# KiCad board cda-pcb.kicad_pcb (continued)
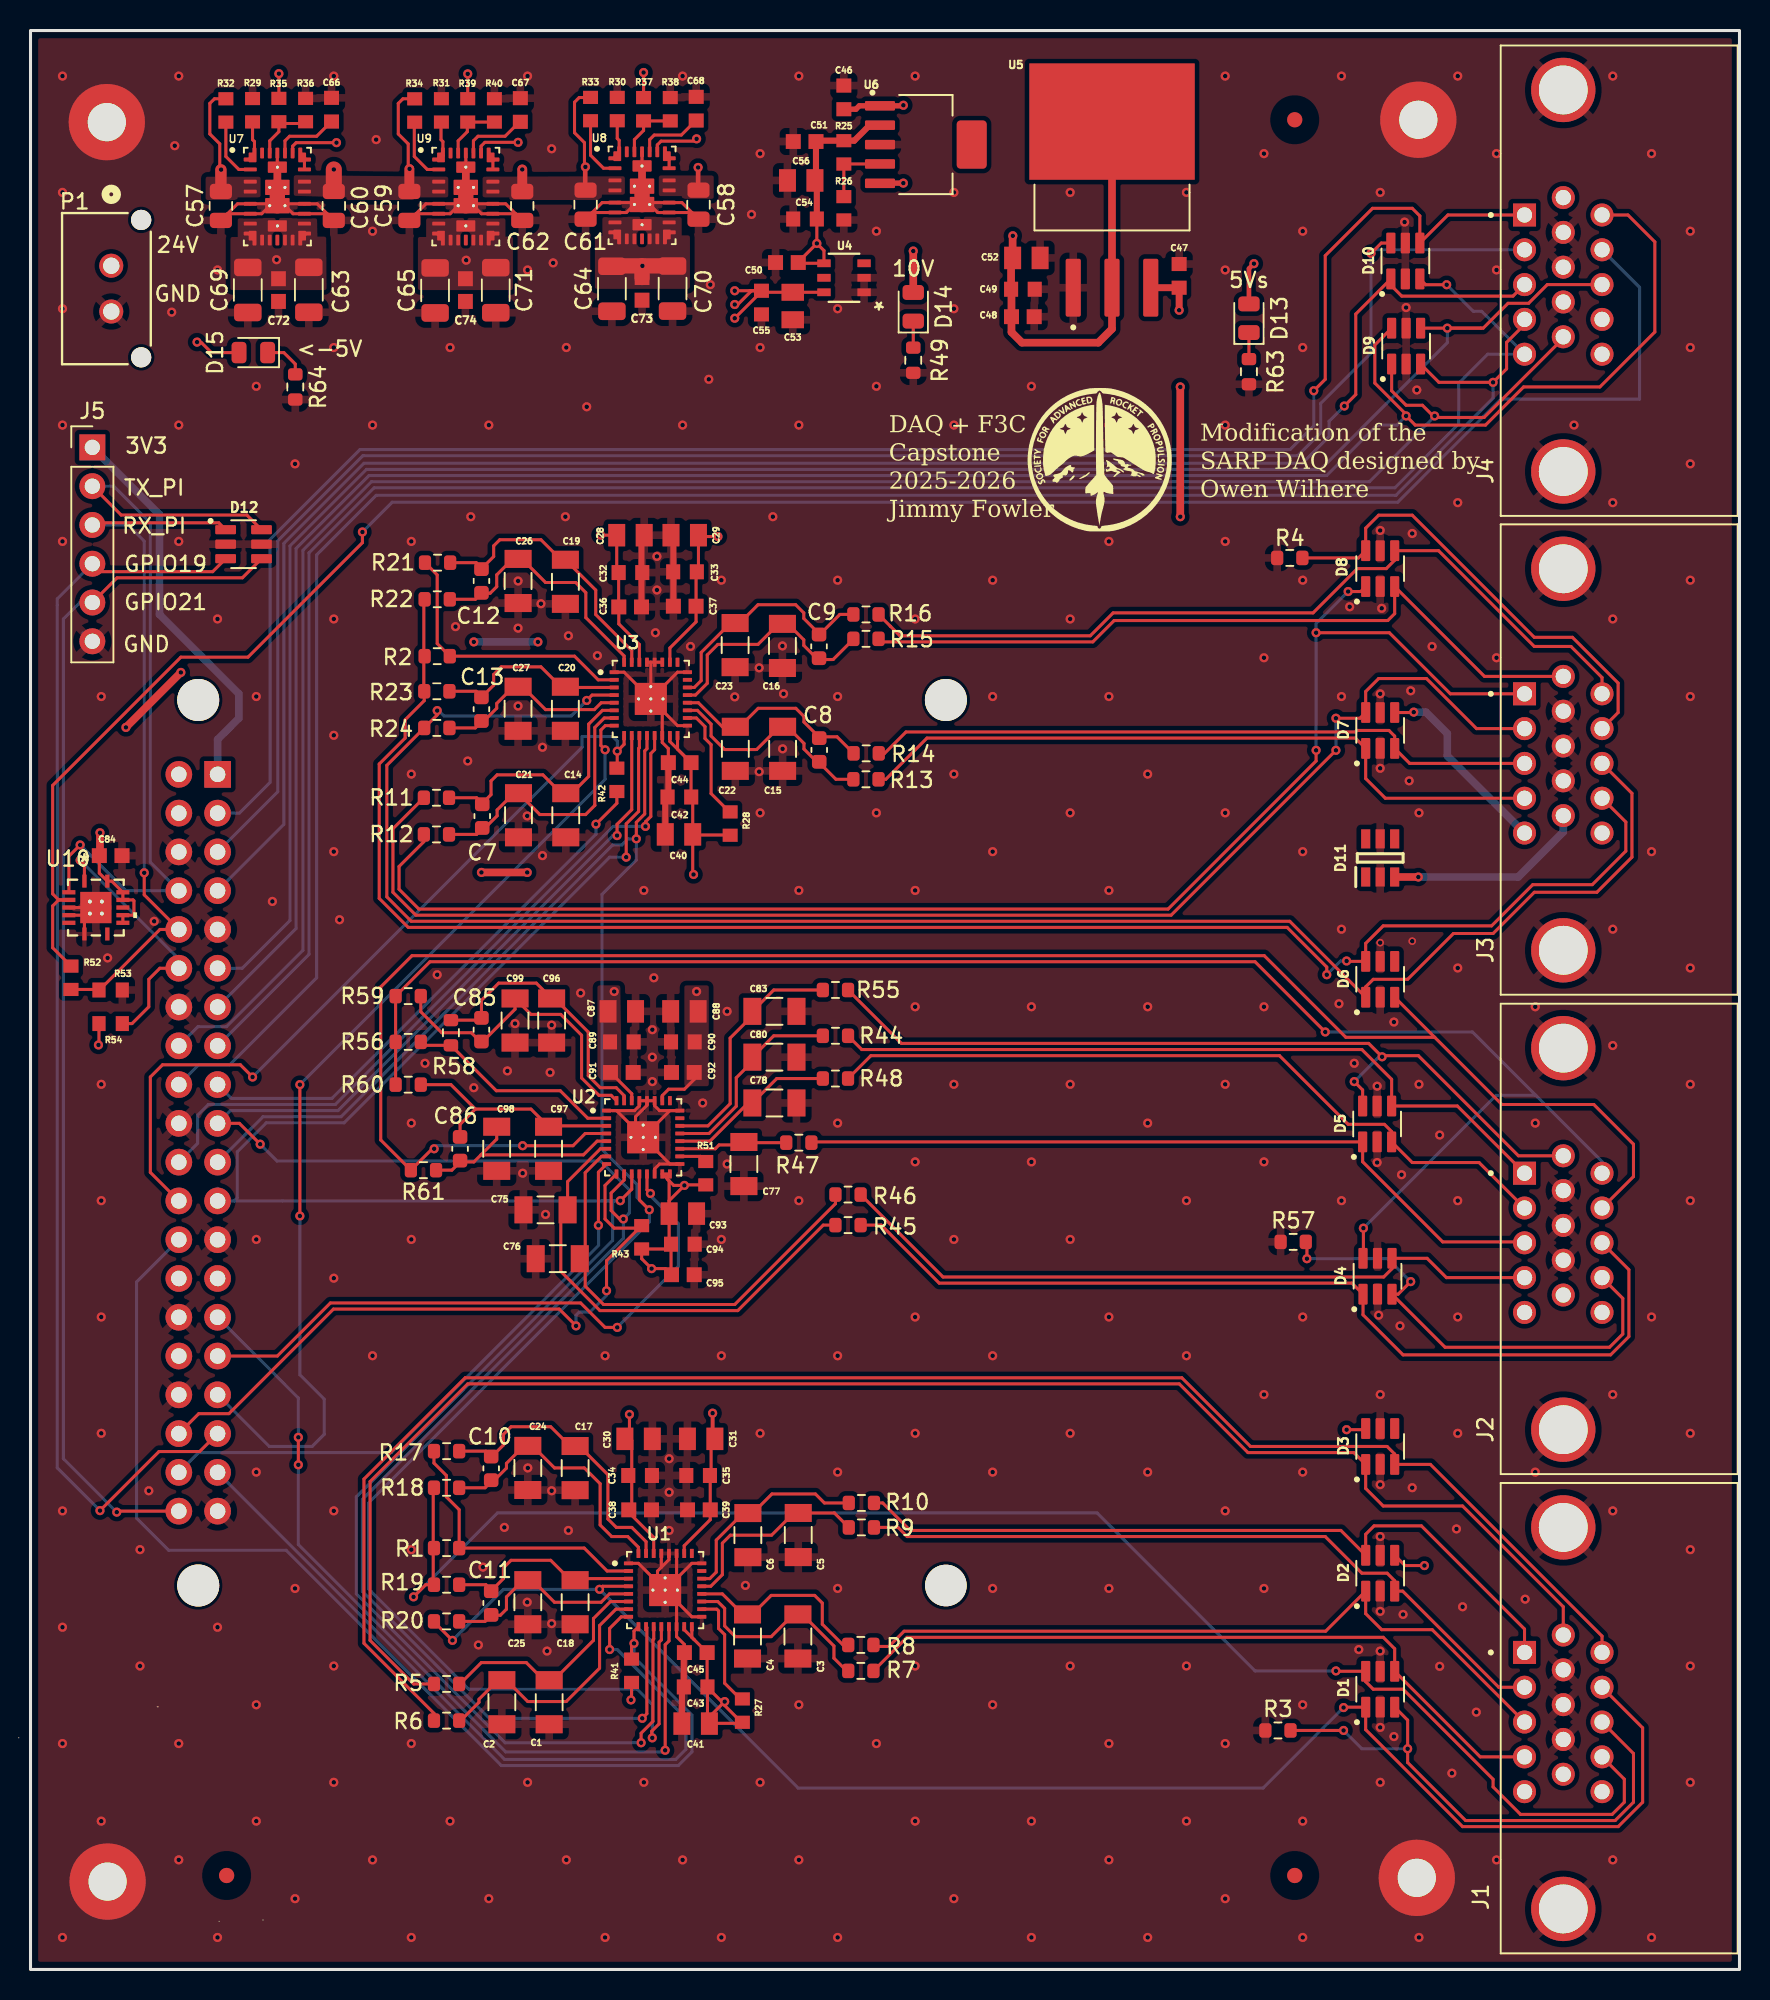
[diagram p0: board, top side]
## Footprints (pads in the part's own frame, mm; a bottom-side part is the same pattern mirrored in y, then rotated) (continued)
  rect 2.05x2.05 smd: 15(0,0)
SOT95P275X110-6N
  rect 1.25x0.6 smd: 1(-1.25,0.95) 2(-1.25,0) 3(-1.25,-0.95) 4(1.25,-0.95) 5(1.25,0) 6(1.25,0.95)
SOT95P280X145-6N
  rrect 1.36x0.6 smd: 1(-1.175,0.95) 2(-1.175,0) 3(-1.175,-0.95) 4(1.175,-0.95) 5(1.175,0) 6(1.175,0.95)
SOT127P706X180-6N
  rrect 1.97x0.62 smd: 1(-3.005,2.54) 2(-3.005,1.27) 3(-3.005,0) 4(-3.005,-1.27) 5(-3.005,-2.54)
  rrect 1.97x3.16 smd: 6(3.005,0)
TO254P1524X483-4N
  rrect 3.79x0.99 smd: 1(-6.4,2.54) 2(-6.4,0) 3(-6.4,-2.54)
  rect 7.62x10.84 smd: 4(4.48,0)
TSOT-23_S6_LIT
  rect 0.876x0.508 smd: 1(-1.314,0.95) 2(-1.314,0) 3(-1.314,-0.95) 4(1.314,-0.95) 5(1.314,0) 6(1.314,0.95)

## Nets
+3.3V: C40.1 C41.1 C42.1 C43.1 C44.1 C45.1 C93.1 C94.1 C95.1 J5.1 R27.2 R28.2 R41.2 R42.2 R43.2 R51.2 R54.2 RP1.1 RP1.17 U1.15 U1.16 U2.15 U2.16 U3.15 U3.16
+5V: C63.2 C69.2 C72.1 D15.2 R35.2 RP1.2 RP1.4 U7.7 U7.8 U7.9 U7.10 U7.12 U7.13 U7.14 U7.15 U7.22 U7.30
+5V REF: C28.2 C30.2 C32.2 C34.2 C36.2 C38.2 C53.1 C55.1 C87.2 C89.2 C91.2 U1.30 U2.30 U3.30 U4.6
+5Vs: C29.1 C31.1 C33.1 C35.1 C37.1 C39.1 C48.1 C49.1 C52.1 C84.1 C88.1 C90.1 C92.1 D2.4 D3.6 D7.4 D13.2 J1.5 J1.10 J1.15 J2.5 J2.10 J2.15 J3.5 J4.15 U1.26 U2.26 U3.26 U5.2 U5.4 U10.9 U10.10 U10.12 U10.13 U10.14
+6V: C47.1 C65.2 C71.2 C74.1 R39.2 U5.3 U9.7 U9.8 U9.9 U9.10 U9.12 U9.13 U9.14 U9.15 U9.22 U9.30
+10Vs: C50.1 C51.1 C54.1 C56.1 D11.3 D14.2 J3.10 J3.15 R25.2 U4.4 U6.2
+11V: C46.1 C64.2 C70.2 C73.1 R37.2 U6.1 U6.5 U8.7 U8.8 U8.9 U8.10 U8.12 U8.13 U8.14 U8.15 U8.22 U8.30
+24V: C57.2 C58.2 C59.2 C60.2 C61.2 C62.2 P1.1 R32.2 R33.2 R34.2 U7.3 U7.4 U7.18 U7.19 U8.3 U8.4 U8.18 U8.19 U9.3 U9.4 U9.18 U9.19
GND: C1.2 C2.2 C3.2 C4.2 C5.2 C6.2 C14.2 C15.2 C16.2 C17.2 C18.2 C19.2 C20.2 C21.2 C22.2 C23.2 C24.2 C25.2 C26.2 C27.2 C28.1 C29.2 C30.1 C31.2 C32.1 C33.2 C34.1 C35.2 C36.1 C37.2 C38.1 C39.2 C40.2 C41.2 C42.2 C43.2 C44.2 C45.2 C46.2 C47.2 C48.2 C49.2 C50.2 C51.2 C52.2 C53.2 C54.2 C55.2 C56.2 C57.1 C58.1 C59.1 C60.1 C61.1 C62.1 C63.1 C64.1 C65.1 C66.2 C67.2 C68.2 C69.1 C70.1 C71.1 C72.2 C73.2 C74.2 C75.2 C76.2 C77.2 C78.2 C80.2 C83.2 C84.2 C87.1 C88.2 C89.1 C90.2 C91.1 C92.2 C93.2 C94.2 C95.2 C96.2 C97.2 C98.2 C99.2 D1.2 D1.5 D2.2 D2.5 D3.2 D3.5 D4.2 D4.5 D5.2 D5.5 D6.2 D6.5 D7.2 D7.5 D8.2 D8.5 D9.2 D9.5 D10.2 D10.5 D11.2 D11.5 D12.2 D12.5 H1.1 H2.1 H3.1 H4.1 J1.7 J1.8 J1.9 J1.S1 J1.S2 J2.7 J2.8 J2.9 J2.S1 J2.S2 J3.7 J3.8 J3.9 J3.S1 J3.S2 J4.7 J4.8 J4.9 J4.S1 J4.S2 J5.6 P1.2 R3.2 R4.2 R26.1 R29.1 R30.1 R31.1 R36.1 R38.1 R40.1 R49.2 R53.2 R57.2 R63.2 R64.2 RP1.6 RP1.9 RP1.14 RP1.20 RP1.25 RP1.30 RP1.34 RP1.39 U1.1 U1.14 U1.17 U1.24 U1.27 U1.28 U1.29 U1.33 U2.1 U2.14 U2.17 U2.24 U2.27 U2.28 U2.29 U2.33 U3.1 U3.14 U3.17 U3.24 U3.27 U3.28 U3.29 U3.33 U4.1 U4.2 U5.1 U6.3 U7.5 U7.6 U7.16 U7.17 U7.24 U7.27 U7.28 U7.29 U8.5 U8.6 U8.16 U8.17 U8.24 U8.27 U8.28 U8.29 U9.5 U9.6 U9.16 U9.17 U9.24 U9.27 U9.28 U9.29 U10.4 U10.5 U10.7 U10.15
/CE1: R42.1 RP1.24 U3.9
/CE2: R41.1 RP1.26 U1.9
/CE3: R43.1 RP1.36 U2.9
/DATA_BUS: J4.12 R52.2 U10.3
/DRDY_N1: RP1.22 U3.13
/DRDY_N2: RP1.29 U1.13
/DRDY_N3: RP1.31 U2.13
/FB: R25.1 R26.2 U6.4
/FMV: D10.4 J4.1 RP1.3
/FTVV: D9.1 J4.10 RP1.16
/GPIO19: D12.3 J5.4 RP1.35
/GPIO21: D12.4 J5.5 RP1.40
/IDAC1_1: R2.1 R21.2 U3.2
/IDAC1_2: R1.1 R17.2 U1.2
/IDAC1_3: R56.1 R58.2 U2.2
/IDAC2_1: D6.1 J3.13 R24.2 U3.4
/IDAC2_2: D1.1 J1.12 R20.2 U1.4
/IDAC2_3: D6.3 J2.12 R61.2 U2.4
/LS1_SIG+: D7.6 J3.2 R11.1
/LS1_SIG-: D8.1 J3.1 R12.1
/LS2_SIG+: D7.1 J3.4 R13.1
/LS2_SIG-: D7.3 J3.3 R14.1
/LS3_SIG+: D8.3 J3.6 R15.1
/LS3_SIG-: D8.4 J3.11 R16.1
/MISO: RP1.21 U1.12 U2.12 U3.12
/MOSI: RP1.19 U1.10 U2.10 U3.10
/OFFV: D10.1 J4.3 RP1.7
/OIMV/FIMV/SPARK: D9.6 J4.11 RP1.13
/OMV: D10.6 J4.2 RP1.5
/OTVV: D9.4 J4.13 RP1.11
/PFFFV: D9.3 J4.4 RP1.18
/POFFV: D10.3 J4.5 RP1.15
/PT1_SIG: D3.1 J1.6 R5.1
/PT2_SIG: D3.3 J1.11 R6.1
/PT3_SIG: D1.4 J1.4 R7.1
/PT4_SIG: D2.1 J1.3 R8.1
/PT5_SIG: D2.3 J1.2 R9.1
/PT6_SIG: D2.6 J1.1 R10.1
/PT7_SIG: D4.1 J2.13 R45.1
/PT8_SIG: D4.4 J2.4 R46.1
/PT9_SIG: D5.1 J2.3 R47.1
/PT10_SIG: D5.3 J2.2 R48.1
/PT11_SIG: D5.4 J2.1 R44.1
/PT12_SIG: D5.6 J2.6 R55.1
/RTD1_L1: D6.6 J3.14 R2.2 R22.2 R23.2
/RTD1_L3: D8.6 J3.12 R4.1
/RTD2_L1: D1.6 J1.14 R1.2 R18.2 R19.2
/RTD2_L3: D1.3 J1.13 R3.1
/RTD3_L1: D4.6 J2.11 R56.2 R59.2 R60.2
/RTD3_L3: D4.3 J2.14 R57.1
/RX_PI: D12.1 J5.3 R52.1 R53.1 RP1.10
/SCLK: RP1.23 U1.11 U2.11 U3.11
/START_SYNC1: RP1.33 U3.8
/START_SYNC2: RP1.37 U1.8
/START_SYNC3: RP1.38 U2.8
/TX_ENABLE: R54.1 RP1.12 U10.1
/TX_PI: D12.6 J5.2 RP1.8 U10.2
Net-(D13-K): D13.1 R63.1
Net-(D14-K): D14.1 R49.1
Net-(D15-K): D15.1 R64.1
Net-(U1-AIN0): C2.1 R6.2 U1.7
Net-(U1-AIN1): C1.1 R5.2 U1.6
Net-(U1-AIN2): C11.2 C25.1 R20.1 U1.5
Net-(U1-AIN4): C11.1 C18.1 R19.1 U1.3
Net-(U1-GPIO0_AIN8): C6.1 R10.2 U1.22
Net-(U1-GPIO1_AIN9): C5.1 R9.2 U1.21
Net-(U1-GPIO2_AIN10): C4.1 R8.2 U1.20
Net-(U1-GPIO3_AIN11): C3.1 R7.2 U1.19
Net-(U1-REFN1_AIN7): C10.1 C17.1 R17.1 U1.31
Net-(U1-REFP1_AIN6): C10.2 C24.1 R18.1 U1.32
Net-(U1-RESET_N): R27.1 U1.18
Net-(U2-AIN0): C76.1 R46.2 U2.7
Net-(U2-AIN1): C75.1 R45.2 U2.6
Net-(U2-AIN2): C86.2 C98.1 R61.1 U2.5
Net-(U2-AIN4): C86.1 C97.1 R60.1 U2.3
Net-(U2-GPIO0_AIN8): C83.1 R55.2 U2.22
Net-(U2-GPIO1_AIN9): C80.1 R44.2 U2.21
Net-(U2-GPIO2_AIN10): C78.1 R48.2 U2.20
Net-(U2-GPIO3_AIN11): C77.1 R47.2 U2.19
Net-(U2-REFN1_AIN7): C85.1 C96.1 R58.1 U2.31
Net-(U2-REFP1_AIN6): C85.2 C99.1 R59.1 U2.32
Net-(U2-RESET_N): R51.1 U2.18
Net-(U3-AIN0): C7.2 C21.1 R12.2 U3.7
Net-(U3-AIN1): C7.1 C14.1 R11.2 U3.6
Net-(U3-AIN2): C13.2 C27.1 R24.1 U3.5
Net-(U3-AIN4): C13.1 C20.1 R23.1 U3.3
Net-(U3-GPIO0_AIN8): C9.2 C23.1 R16.2 U3.22
Net-(U3-GPIO1_AIN9): C9.1 C16.1 R15.2 U3.21
Net-(U3-GPIO2_AIN10): C8.2 C22.1 R14.2 U3.20
Net-(U3-GPIO3_AIN11): C8.1 C15.1 R13.2 U3.19
Net-(U3-REFN1_AIN7): C12.1 C19.1 R21.1 U3.31
Net-(U3-REFP1_AIN6): C12.2 C26.1 R22.1 U3.32
Net-(U3-RESET_N): R28.1 U3.18
Net-(U7-CBOOT): U7.20 U7.21
Net-(U7-EN/SYNC): R32.1 U7.2
Net-(U7-FB): R35.1 R36.2 U7.25
Net-(U7-RT): R29.2 U7.1
Net-(U7-VCC): C66.1 U7.23
Net-(U8-CBOOT): U8.20 U8.21
Net-(U8-EN/SYNC): R33.1 U8.2
Net-(U8-FB): R37.1 R38.2 U8.25
Net-(U8-RT): R30.2 U8.1
Net-(U8-VCC): C68.1 U8.23
Net-(U9-CBOOT): U9.20 U9.21
Net-(U9-EN/SYNC): R34.1 U9.2
Net-(U9-FB): R39.1 R40.2 U9.25
Net-(U9-RT): R31.2 U9.1
Net-(U9-VCC): C67.1 U9.23

Pads without a net: D3 4; D6 4; D11 1 4 6; J4 6 14; RP1 27 28 32; U1 23 25; U2 23 25; U3 23 25; U4 3 5; U6 6; U7 11 26; U8 11 26; U9 11 26; U10 6 8 11

## Via types
v1: diameter 0.6, hole 0.3, Top to Bottom, 443 vias
v2: diameter 0.5, hole 0.3, Top to Bottom, 2 vias

## Routing (per net, layer and track width the routed paths; a pad name or vN(x,y) marks a point on that pad's centre or on a via; arc(x,y) is an arc through that point)
+3.3V: length 243.5
  Top w0.2: C40.1 43.44,74.31 45.75,74.31 ; C40.1 43.4,71.77 v1(43.45,71.72) ; C40.1 43.4,76.6 43.3,76.7 C42.1 43.29,76.81 C44.1 ; C43.1 44.34,18.53 C45.1 43.49,21.6 ; C43.1 44.37,18.47 45.29,17.55 v1(45.49,17.55) ; C43.1 44.37,16.23 C41.1 ; R42.2 38.43,76.39 v1(37.06,75.02) ; v1(4.45,60.56) 4.49,60.59 R54.2 ; C44.1 41.9,80.43 U3.15 ; C44.1 42.4,79.93 U3.16 ; v1(42.85,51.36) 42.15,51.36 41.85,51.66 ; v1(42.85,51.36) 42.89,51.39 R51.2 ; v1(42.85,51.36) 41.85,50.36 C93.1 ; 41.85,51.66 U2.15 U2.16 41.75,51.96 41.75,51.76 41.85,51.66 ; 41.85,51.66 C93.1 ; C94.1 41.66,47.19 R43.2 40.05,46.56 v1(40.7,45.91) 41.61,45.91 C95.1 41.98,45.54 C94.1 ; C94.1 41.85,47.63 C93.1 ; 46.59,16.12 44.51,16.12 C41.1 ; 43.49,21.6 42.84,22.25 U1.15 ; 43.49,21.6 43.34,21.75 U1.16 ; C41.1 44.49,16.54 v1(45.49,17.55) ; v1(39.35,17.66) 39.39,17.69 R41.2 ; v1(45.49,17.55) 45.49,17.29 46.59,16.19 R27.2
  Top w0.5: v1(29.55,71.86) v1(32.55,71.86)
  In2.Cu w0.2: RP1.17 10.97,59.26 5.75,59.26 v1(4.45,60.56) ; v1(37.06,75.02) 37.05,75.01 37.05,73.16 38.35,71.86 43.32,71.86 v1(43.45,71.72) 42.85,71.12 v1(42.85,51.36) 42.85,48.06 v1(40.7,45.91) 40.7,38.41 45.49,33.61 v1(45.49,17.55) 39.46,17.55 v1(39.35,17.66)
  In2.Cu w0.5: RP1.1 14.75,75.79 14.75,60.45 ; v1(29.55,71.86) 26.16,71.86 14.75,60.45 ; 14.75,60.45 RP1.17 ; v1(32.55,71.86) 33.9,71.86 v1(37.06,75.02)
  Bottom w0.2: v1(37.06,75.02) 37.06,74.36 19.75,57.06 13.17,57.06 RP1.17
  Bottom w0.5: RP1.1 12.26,80.56 13.65,81.96 13.65,83.56 8.45,88.76 8.45,95.3 J5.1
+5V: length 68.4
  Top w0.2: v1(20.05,119.66) 17.41,119.66 17.18,119.43 U7.22 ; R35.2 v1(16.28,124.18) ; 10.85,106.6 10.91,106.54 11.22,106.54 11.85,105.91 D15.2
  In2.Cu w1: RP1.4 RP1.2
  In2.Cu w1.05: 20.38,119.36 21.18,118.56 21.18,116.86 16.31,111.99 v1(16.13,111.99) ; 20.38,119.36 16.28,123.46 v1(16.28,124.18) ; 20.38,119.36 20.08,119.66 v1(20.05,119.66) ; v1(16.13,111.99) 16.13,111.81 v1(10.91,106.59) 10.02,105.69 9.98,105.69 7.69,103.41 7.69,80.31 RP1.2 ; v1(16.13,111.99) 16.13,114.2 ; v1(16.13,111.99) 16.13,112.59
+5V REF: length 189
  Top w0.2: v1(46.15,108.16) 47.9,109.91 C55.1 ; C55.1 47.15,109.96 ; C55.1 47.15,109.96 ; v1(37.35,93.96) 37.36,93.95 C28.2 38.42,91.62 C32.2 38.54,89.26 C36.2 38.55,88.13 39.9,86.79 U3.30 ; v1(46.15,109.06) 46.35,109.06 47.25,109.96 47.15,109.96 ; U2.30 39.4,57.36 C91.2 38.01,59.11 37.98,59.14 ; 47.15,109.96 v1(46.15,109.96) ; v1(39.25,36.36) 39.25,36.36 39.25,34.8 39.4,34.65 39.4,29.74 40.84,28.3 U1.30 ; U4.6 48,109.86
  In2.Cu w0.2: v1(46.15,109.96) 30.45,94.26 30.45,45.16 v1(39.25,36.36) ; v1(46.15,109.06) 31.05,93.96 31.05,71.26 v1(38.25,64.06) ; v1(46.15,108.16) 37.35,99.36 v1(37.35,93.96)
+5Vs: length 510.6
  Top w0.2: 64.29,110.03 C49.1 ; 64.26,112.01 C52.1 ; U3.26 41.9,86.56 43.62,88.27 C37.1 43.62,91.5 C33.1 43.77,91.65 C29.1 43.86,93.86 v1(45.05,93.86) ; 4.51,74.41 v1(4.55,74.46) ; D2.4 90.08,26.46 v1(91.35,26.46) ; 44.7,34.8 44.6,34.7 44.6,32.35 44.55,32.3 C39.1 44.55,29.46 42.84,27.75 U1.26 ; 4.55,73 C84.1 4.51,71.81 U10.14 5.32,71.29 U10.13 U10.12 6.72,70.06 6.78,70 6.78,69.11 6.72,69.06 U10.10 U10.9 ; D7.4 90.63,82.33 v1(90.65,82.36) ; 64.36,113.54 v1(64.38,113.56) ; U2.26 41.4,57.24 41.82,57.66 42.85,57.66 43.5,58.3 C92.1 ; D3.6 87.43,35.36 v1(86.25,35.36)
  Top w0.25: 44.7,34.8 v1(44.7,36.44)
  Top w0.3: D13.2 79.85,111.41 v1(80.18,111.73)
  Top w0.5: v1(6.25,81.36) v1(9.85,84.96) ; 43.53,58.79 C92.1 ; C52.1 64.36,113.54 ; v1(4.55,74.46) 4.55,73 ; U5.4 U5.2 70.88,107.46 69.98,106.56 64.98,106.56 64.29,107.24 C48.1 64.29,110.03 ; 43.65,60.88 C90.1 ; C49.1 64.26,112.01
  In2.Cu w0.3: v1(64.38,113.56) 78.35,113.56 v1(80.18,111.73)
  In2.Cu w0.5: 66.65,81.96 66.65,93.86 ; 66.65,81.96 66.65,58.56 ; 66.65,81.96 66.53,81.83 ; 66.65,93.86 82.35,109.56 ; 66.65,93.86 v1(45.05,93.86) 40.15,93.86 v1(33.25,86.96) ; J2.15 101.59,43.04 J2.10 99.31,43.04 J2.5 90.23,35.36 v1(86.25,35.36) ; J2.15 105.35,45.4 105.35,68.66 102.45,71.56 100.79,71.56 J3.5 93.36,69.88 78.48,69.88 66.53,81.83 ; J2.15 105.35,40.68 105.35,14.01 J1.15 101.59,11.65 J1.10 99.31,11.65 J1.5 91.35,18.21 91.35,26.86 86.25,31.96 v1(86.25,35.36) ; 82.35,109.56 87.35,104.56 92.35,104.56 94.85,102.06 97.95,102.06 101.7,105.8 J4.15 ; 82.35,109.56 v1(80.18,111.73) ; 66.53,81.83 48.75,64.06 v1(43.65,64.06) ; v1(29.05,86.96) 11.25,86.96 9.85,85.56 v1(9.85,84.96) ; 66.65,58.56 66.65,58.39 v1(44.7,36.44) ; 66.65,58.56 66.65,54.96 v1(86.25,35.36) ; v1(4.55,74.46) 6.25,76.16 v1(6.25,81.36)
  Bottom w0.5: J3.5 92.85,79.5 92.85,80.96 91.45,82.36 v1(90.65,82.36) ; v1(33.25,86.96) v1(29.05,86.96)
+6V: length 77.3
  Top w0.2: v1(31.95,119.68) 29.78,119.68 29.53,119.43 U9.22 ; 28.65,122.54 v1(28.65,124.16)
  Top w0.45: v1(75.28,108.68) C47.1 U5.3
  In2.Cu w0.2: v1(31.95,119.68) 31.95,120.86 v1(28.65,124.16)
  In2.Cu w0.45: 34.15,113.16 34.15,117.48 v1(31.95,119.68) ; 34.15,113.16 36.1,113.16 39.1,110.16 40.85,110.16 42.55,111.86 55.25,111.86 61.85,105.26 72.73,105.26 75.28,107.81 v1(75.28,108.68) ; 34.15,113.16 29.57,113.16 U9.30
  In2.Cu w0.5: v1(28.55,111.96) 28.55,114.18 U9.30
+10Vs: length 152.7
  Top w0.2: v1(51.53,113.06) 50.31,111.84 C50.1 ; v1(51.53,113.06) 52,112.59 U4.4 50.65,111.76 ; v1(51.53,113.06) C54.1 ; 51.48,117.25 C56.1 ; 51.53,119.79 C51.1
  Top w0.4: C51.1 51.48,117.25 ; C54.1 51.53,117.06 C56.1 ; U6.2 55,120.8 53.98,119.79 R25.2 51.53,119.79
  Top w0.5: v1(90.95,71.56) D11.3 ; v1(75.35,103.66) v1(75.35,95.16) ; D14.2 v1(57.85,112.56)
  In2.Cu w0.5: v1(51.53,113.06) 52.03,112.56 74.45,112.56 76.95,110.06 76.95,105.26 v1(75.35,103.66) ; J3.10 101.59,74.44 J3.15 105.45,76.9 105.45,84.16 101.85,87.76 92.65,87.76 85.25,95.16 v1(75.35,95.16) 75.35,87.16 v1(90.95,71.56)
  Bottom w0.5: J3.10 100.45,74.51 97.5,71.56 v1(90.95,71.56)
+11V: length 52.6
  Top w0.2: 40.18,122.63 v1(40.18,124.25) ; 43.5,119.76 41.33,119.76 41.08,119.51 U8.22
  Top w0.35: v1(57.2,117.01) 55.69,117.01 U6.5 ; C46.1 54.09,121.85 54.32,122.07 U6.1 57.17,122.07 v1(57.2,122.11)
  Top w1: v1(40.1,111.59) 40.08,111.56 C73.1 ; C64.2 38.13,111.59 42.08,111.59
  In2.Cu w0.35: v1(57.2,122.11) v1(57.2,117.01)
  In2.Cu w0.5: v1(43.65,119.91) 45.85,122.11 v1(57.2,122.11) ; v1(43.65,119.91) 43.65,119.96 40.18,123.43 v1(40.18,124.25) ; v1(43.65,119.91) 45.35,118.21 45.35,117.66 41.98,114.28 U8.30
  In2.Cu w1: v1(40.1,111.59) 40.1,114.26 U8.30
+24V: length 61.7
  Top w0.2: v1(12.49,117.89) 12.48,117.88 12.4,117.95 12.4,119.58 11.75,120.23 11.75,122.23 12.06,122.53 R32.2 ; 24.75,117.95 24.75,119.58 24.1,120.23 24.1,122.23 24.41,122.53 25.15,122.53 ; 36.7,122.61 35.96,122.61 35.65,122.31 35.65,120.31 36.3,119.66 36.3,118.03
  Top w0.3: v1(43.75,118.03) 43.75,116.68 ; 32.29,117.96 v1(32.23,117.9) ; 36.35,118.06 36.35,116.73
  Top w0.65: v1(32.23,117.9) 32.23,116.55 ; 24.83,117.93 24.83,116.6
  Top w0.75: 12.48,117.88 12.48,116.55
  Top w1.05: v1(19.88,117.9) 19.88,116.55
  In2.Cu w1: v1(36.37,118.07) 37.65,119.36 42.43,119.36 v1(43.75,118.03) ; v1(24.84,117.94) 24.84,118.04 25.85,119.06 31.07,119.06 v1(32.23,117.9)
  In2.Cu w1.05: P1.1 5.33,111.56 7.65,111.56 10.6,114.51 10.6,116 13.68,119.08 18.7,119.08 v1(19.88,117.9)
  Bottom w0.2: 12.48,118.1 12.48,117.88 v1(12.49,117.89)
  Bottom w0.3: 36.53,118.12 36.46,118.06
GND: length 137.1
  Top w0.2: 40.51,54.86 41.9,56.26 U2.24 41.22,56.26 40.9,56.57 U2.27 U2.28 ; 39.4,58.66 C91.1 39.5,59 39.53,59.03 ; U10.15 3.53,68.81 U10.7 ; U10.15 U10.4 ; U10.15 3.78,69.06 U10.5 ; U3.24 42.4,84.97 U3.33 ; 41.24,25.2 41.09,25.35 41.09,26.09 41.34,26.34 ; 41.98,24.46 43.34,23.1 U1.17 ; 40.04,93.77 C28.1 ; U1.33 42.34,24.1 U1.14 42.34,21.8 42.85,21.29 C45.2 42.82,20.72 ; 42.69,18.38 C43.2 ; 40.65,85.62 U3.29 ; 40.65,85.62 U3.33 ; 40.65,85.62 U3.27 ; 38.15,56.26 38.4,56.26 39.8,54.86 39.65,55.01 39.65,55.85 40.4,56.61 U2.28 ; 38.15,56.26 39.59,56.26 39.9,56.57 U2.29 U2.28 ; 38.15,56.26 U2.1 ; U9.24 U9.27 ; U1.24 43.34,26.6 41.98,25.24 ; 42.13,93.79 C29.2 ; 41.05,30.27 40.89,30.1 ; U3.33 41.4,82.47 U3.14 41.4,80.37 41.8,79.97 C44.2 ; U3.33 38.9,84.97 U3.1 ; U3.33 42.4,81.47 U3.17 ; 41.34,26.34 U1.29 ; 41.34,26.34 41.84,26.84 U1.28 ; U7.24 U7.27 ; U9.29 27.9,115.66 26.76,115.66 U9.5 25.91,115.65 C59.1 25.26,115 U9.6 27.5,115 U9.29 ; U9.29 U9.29 ; U2.14 40.9,52.44 41.22,52.76 U2.17 41.9,52.76 40.51,54.15 ; 39.53,62.63 C87.1 ; U9.29 29.55,115 U9.16 31.79,115 C62.1 31.14,115.65 U9.17 29.15,115.65 U9.29 ; U9.29 U9.29 ; 41.98,62.63 41.85,62.76 ; 41.2,25.24 39.84,26.6 U1.1 ; U8.24 U8.27 ; U9.29 28.53,115.32 ; U1.27 42.34,25.6 41.94,25.2 ; 41.6,76.65 C42.2 41.75,77.02 41.8,77.07 ; C92.2 42.01,59.01 41.98,59.04 ; 42.9,30.26 C39.2 ; U7.5 13.56,115.65 C57.1 12.91,115 U7.6 15.15,115 U7.29 15.55,115.65 U7.5 ; 40.7,115.73 U8.29 41.1,115.08 U8.16 43.34,115.08 C58.1 42.69,115.73 U8.17 40.7,115.73 ; 36.81,115.08 C61.1 37.46,115.73 U8.5 39.45,115.73 U8.29 39.05,115.08 U8.6 36.81,115.08 ; 19.44,115 C60.1 18.79,115.65 U7.17 16.8,115.65 U7.29 17.2,115 U7.16 19.44,115
  Top w0.4: C40.2 41.6,76.65 ; C43.2 42.82,20.72 ; C41.2 42.69,18.38 ; C36.1 40.04,93.77 ; 41.8,77.07 C44.2 ; C37.2 42.13,93.79
  Top w0.5: U7.27 U7.28 ; U9.27 U9.28 ; U8.27 U8.28
  Top w1: U9.28 U9.29 ; U8.29 U8.28 ; U7.29 U7.28
  Bottom w0.2: 3.43,87.54 4.05,87.54 ; 5.22,121.64 5.58,121.28 6.77,121.28
  Bottom w1.05: 5.22,121.57 5.22,121.64
  vias: v1(2.1,124.02) v1(2.1,116.4) v1(2.1,108.78) v1(2.1,101.16) v1(2.1,93.54) v1(2.1,30.04) v1(2.1,22.42) v1(2.1,14.8) v1(2.1,2.1) v1(4.64,83.38) v1(4.64,57.98) v1(4.64,50.36) v1(4.64,42.74) v1(4.64,35.12) v1(4.64,9.72) v1(5.05,66.26) v1(7.18,27.5) v1(7.18,19.88) v1(7.75,31.36) v1(8.1,68.66) v1(9.25,108.56) v1(9.45,119.46) v1(9.72,124.02) v1(9.72,101.16) v1(9.72,93.54) v1(9.72,14.8) v1(9.72,7.18) v1(12.26,111.32) v1(12.26,88.46) v1(12.26,22.42) v1(12.26,2.1) v1(14.8,103.7) v1(14.8,83.38) v1(14.8,47.82) v1(14.8,32.58) v1(14.8,17.34) v1(14.8,9.72) v1(15.85,69.96) v1(17.34,98.62) v1(17.34,24.96) v1(17.34,4.64) v1(19.88,124.02) v1(19.88,106.24) v1(19.88,88.46) v1(19.88,80.84) v1(19.88,73.22) v1(19.88,45.28) v1(19.88,30.04) v1(19.88,19.88) v1(19.88,12.26) v1(20.25,68.76) v1(22.42,113.86) v1(22.42,101.16) v1(22.42,40.2) v1(22.42,7.18) v1(22.65,119.86) v1(24.96,93.54) v1(24.96,78.3) v1(24.96,55.44) v1(24.96,47.82) v1(24.96,27.5) v1(24.96,14.8) v1(24.96,2.1) v1(25.85,59.36) v1(26.65,65.16) v1(27.5,106.24) v1(27.5,9.72) v1(27.85,87.96) v1(28.65,79.16) v1(28.85,95.16) v1(29.05,57.76) v1(29.35,21.26) v1(29.65,26.36) v1(30.04,101.16) v1(30.04,4.64) v1(31.05,28.96) v1(31.25,58.86) v1(31.75,61.96) v1(31.95,90.95) v1(31.95,87.86) v1(31.95,82.76) v1(32.25,52.16) v1(32.58,124.02) v1(32.58,111.32) v1(32.55,75.56) v1(32.59,32.85) v1(32.55,24.06) v1(32.58,12.26) v1(33.45,89.46) v1(33.55,80.06) v1(33.55,72.96) v1(33.75,49.46) v1(33.85,20.86) v1(34.05,58.76) v1(34.15,119.26) v1(34.15,61.86) v1(34.15,31.36) v1(34.15,22.66) v1(34.25,111.78) v1(35.12,106.24) v1(35.05,95.16) v1(35.12,7.18) v1(35.25,87.36) v1(35.25,28.76) v1(36.05,63.96) v1(36.45,102.36) v1(37.15,86.06) v1(37.66,40.2) v1(37.66,2.1) v1(40.2,70.68) v1(40.2,12.26) v1(40.75,61.56) v1(40.75,59.76) v1(40.75,58.16) v1(40.85,64.96) v1(40.95,87.56) v1(41.05,92.56) v1(41.05,90.36) v1(41.85,33.46) v1(41.85,31.26) v1(41.85,28.76) v1(42.74,124.02) v1(42.74,101.16) v1(42.74,7.18) v1(43.25,86.66) v1(44.05,56.76) v1(44.45,104.16) v1(44.55,110.36) v1(45.28,91) v1(45.28,47.82) v1(45.28,40.2) v1(45.28,2.1) v1(45.65,62.76) v1(45.65,52.76) v1(46.15,83.36) v1(46.85,25.16) v1(47.25,114.96) v1(47.82,118.94) v1(47.82,106.24) v1(47.75,85.26) v1(47.75,78.46) v1(47.82,75.76) v1(47.82,35.12) v1(47.82,12.26) v1(48.65,95.16) v1(49.28,86.69) v1(49.29,79.95) v1(49.35,83.56) v1(50.36,124.02) v1(50.36,101.16) v1(50.36,70.68) v1(50.36,50.36) v1(50.36,17.34) v1(50.36,7.18) v1(52.9,108.78) v1(52.9,91) v1(52.9,83.38) v1(52.9,55.44) v1(52.9,40.2) v1(52.9,32.58) v1(52.9,24.96) v1(52.9,2.1) v1(55.44,113.86) v1(55.44,103.7) v1(55.44,75.76) v1(55.44,14.8) v1(57.98,124.02) v1(57.98,88.46) v1(57.98,70.68) v1(57.98,63.06) v1(57.98,52.9) v1(57.98,42.74) v1(57.98,35.12) v1(57.98,19.88) v1(57.98,9.72) v1(60.52,116.4) v1(60.52,108.78) v1(60.52,101.16) v1(60.52,78.3) v1(60.52,57.98) v1(60.52,47.82) v1(60.52,4.64) v1(63.06,91) v1(63.06,83.38) v1(63.06,73.22) v1(63.06,40.2) v1(63.06,32.58) v1(63.06,24.96) v1(63.06,17.34) v1(65.6,103.7) v1(65.6,63.06) v1(65.6,52.9) v1(65.6,9.72) v1(65.6,2.1) v1(68.14,116.4) v1(68.14,88.46) v1(68.14,75.76) v1(68.14,57.98) v1(68.14,47.82) v1(68.14,35.12) v1(68.14,19.88) v1(70.68,101.16) v1(70.68,93.54) v1(70.68,83.38) v1(70.68,70.68) v1(70.68,42.74) v1(70.68,24.96) v1(70.68,14.8) v1(70.68,7.18) v1(73.22,78.3) v1(73.22,63.06) v1(73.22,55.44) v1(73.22,32.58) v1(73.22,2.1) v1(75.76,116.4) v1(75.76,50.36) v1(75.76,40.2) v1(75.76,19.88) v1(75.76,9.72) v1(78.3,124.02) v1(78.3,111.32) v1(78.3,101.16) v1(78.3,93.54) v1(78.3,75.76) v1(78.3,57.98) v1(78.3,30.04) v1(78.3,14.8) v1(78.3,4.64) v1(80.84,118.94) v1(80.84,85.92) v1(80.84,63.06) v1(80.84,52.9) v1(80.84,37.66) v1(80.84,24.96) v1(83.38,113.86) v1(83.38,106.24) v1(83.38,91) v1(83.38,73.22) v1(83.38,42.74) v1(83.38,32.58) v1(83.38,17.34) v1(83.38,9.72) v1(83.38,2.1) v1(85.75,63.26) v1(85.92,124.02) v1(85.92,83.38) v1(85.92,68.14) v1(85.92,50.36) v1(86.45,89.26) v1(86.75,59.36) v1(87.05,20.96) v1(88.25,57.86) v1(88.25,52.86) v1(88.35,42.86) v1(88.46,116.4) v1(88.45,94.26) v1(88.45,83.56) v1(88.45,78.68) v1(88.46,37.66) v1(88.45,31.76) v1(88.45,28.36) v1(88.45,23.46) v1(88.45,20.86) v1(88.45,15.86) v1(88.46,12.26) v1(88.55,89.16) v1(89.35,62.06) v1(89.35,15.26) v1(89.75,42.16) v1(89.85,52.06) v1(89.95,23.26) v1(90.05,114.46) v1(90.15,108.86) v1(90.35,77.86) v1(90.45,83.76) v1(90.55,94.06) v1(90.55,31.56) v1(90.85,103.46) v1(91,75.76) v1(91,57.98) v1(91,2.1) v1(91.85,86.66) v1(92.35,54.66) v1(92.35,19.86) v1(93.15,12.86) v1(93.45,28.86) v1(93.54,124.02) v1(93.54,96.08) v1(93.54,65.6) v1(93.54,50.36) v1(93.54,42.74) v1(93.54,35.12) v1(93.85,23.76) v1(94.75,16.86) v1(96.08,118.94) v1(96.08,111.32) v1(96.08,85.92) v1(96.08,7.18) v1(97.95,24.26) v1(98.62,63.06) v1(98.62,55.44) v1(98.62,32.58) v1(101.16,101.16) v1(103.7,124.02) v1(103.7,96.08) v1(103.7,88.46) v1(103.7,68.14) v1(103.7,60.52) v1(103.7,37.66) v1(103.7,30.04) v1(103.7,7.18) v1(106.24,118.94) v1(106.24,73.22) v1(106.24,42.74) v1(106.24,2.1) v1(108.78,113.86) v1(108.78,106.24) v1(108.78,98.62) v1(108.78,91) v1(108.78,83.38) v1(108.78,65.6) v1(108.78,57.98) v1(108.78,50.36) v1(108.78,35.12) v1(108.78,27.5) v1(108.78,19.88) v1(108.78,12.26) v2(88.45,67.26) v2(90.55,67.36)
/CE1: length 53
  Top w0.2: v1(14.55,58.46) 13.75,59.26 8.65,59.26 7.85,58.46 7.85,52.21 RP1.24 ; U3.9 38.9,80.25 v1(38.45,79.8) 38.45,78.57
  Bottom w0.2: v1(14.55,58.46) 36.15,80.06 36.15,80.76 38.15,80.76 38.45,80.46 v1(38.45,79.8)
/CE2: length 73.9
  Top w0.2: U1.9 39.55,22.16 v1(39.55,21.36) 39.39,21.2 R41.1
  Bottom w0.2: v1(39.55,21.36) 39.55,20.46 43.35,16.66 43.35,14.26 42.45,13.36 30.85,13.36 16.75,27.46 9.05,27.46 6.95,29.56 6.95,45.03 RP1.26
/CE3: length 44.6
  Top w0.2: v1(37.75,44.46) 37.75,46.42 R43.1 39.89,48.56 38.25,48.56 37.65,49.16 37.65,51.36 U2.9 ; RP1.36 11.03,36.41 13,36.41 19.85,43.26 34.65,43.26 v1(35.75,42.16)
  Bottom w0.2: v1(37.75,44.46) 37.75,44.16 36.65,43.06 35.95,43.06 35.75,42.86 v1(35.75,42.16)
/DATA_BUS: length 139.7
  Top w0.2: v1(21.75,94.16) 21.75,93.46 14.25,85.96 9.85,85.96 1.45,77.55 1.45,70.45 1.85,70.06 ; 1.85,70.06 U10.3 1.85,70.06 ; 1.85,70.06 1.45,69.66 1.45,66.92 R52.2
  Bottom w0.2: v1(21.75,94.16) 23.7,96.11 89.6,96.11 96.35,102.86 105.45,102.86 105.45,110.18 J4.12
/DRDY_N1: length 47
  Top w0.2: U3.13 40.9,79.9 40.65,79.65 40.65,75.52 40.3,75.17 v1(40.3,74.87)
  Bottom w0.2: RP1.22 10.95,54.11 10.95,55.96 11.65,56.66 19.97,56.66 38.19,74.87 v1(40.3,74.87)
/DRDY_N2: length 55
  Top w0.2: 41.84,22.44 41.84,21.52 41.59,21.27 41.59,14.36 v1(41.59,14.36) ; v1(17.55,33.06) v1(17.55,34.86)
  Bottom w0.2: v1(17.55,33.06) 17.55,27.83 31.14,14.25 41.49,14.25 v1(41.59,14.36) ; RP1.29 17.55,37.43 v1(17.55,34.86)
/DRDY_N3: length 40.8
  Top w0.2: v1(38.45,42.06) 37.65,42.06 36.05,43.66 19.65,43.66 16.18,40.18 RP1.31 ; v1(40.63,50.83) 40.4,51.05 U2.13
  Bottom w0.2: v1(38.45,42.06) 42.45,46.06 42.45,48.86 40.63,50.68 v1(40.63,50.83)
/FB: length 4.5
  Top w0.2: U6.4 53.31,118.26 R25.1 R26.2
/FMV: length 120.3
  Top w0.2: v1(84.1,103.41) 84.85,104.16 84.85,112.26 87.95,115.36 90.55,115.36 91.05,114.86 D10.4 92.89,114.92 J4.1
  Bottom w0.2: 12.26,75.81 RP1.3 13.69,75.74 15.7,77.75 15.7,93.66 21.59,99.56 82.55,99.56 84.1,101.11 v1(84.1,103.41)
/FTVV: length 130.8
  Top w0.2: D9.1 89.2,103.41 90.15,102.46 91.22,102.46 92.02,101.66 ; 92.02,101.66 95.26,101.66 100.45,106.85 J4.10 ; 92.02,101.66 v1(92.02,101.76)
  Bottom w0.2: RP1.16 10.98,61.76 12.85,61.76 17.85,66.76 17.85,92.96 22.35,97.45 87.75,97.45 92.02,101.73 v1(92.02,101.76)
/GPIO19: length 83.2
  Top w0.2: v1(4.55,30.06) 8.42,33.92 11.08,33.92 RP1.35 ; J5.4 4.57,91.56 11.94,91.56 D12.3
  Bottom w0.2: J5.4 1.75,89.78 1.75,32.86 v1(4.55,30.06)
/GPIO21: length 78.7
  Top w0.2: v1(5.65,29.96) 5.72,30.02 RP1.40 ; D12.4 13.89,91.16 5.67,91.16 J5.5
  Bottom w0.2: v1(5.65,29.96) 2.15,33.46 2.15,88.46 3.23,89.54 J5.5
/IDAC1_1: length 18.2
  Top w0.2: R21.2 26.65,91.35 26.65,86.85 R2.1 ; 27.53,86.02 35.65,86.02 37.2,84.47 U3.2
/IDAC1_2: length 18.7
  Top w0.2: R17.2 26.44,33.17 27.25,32.36 27.25,30.96 28.09,30.12 R1.1 ; U1.2 37.79,26.1 36.29,27.6 28.14,27.6
/IDAC1_3: length 14.2
  Top w0.2: R56.1 25.8,60.53 R58.2 30.53,57.56 34.72,57.56 36.52,55.76 U2.2
/IDAC2_1: length 121.4
  Top w0.2: J3.13 104.95,77.04 104.95,72.86 102.65,70.56 98.55,70.56 95.85,67.86 93.25,67.86 90.25,64.86 88,64.86 87.5,64.36 D6.1 82.53,68.66 24.95,68.66 23.35,70.26 23.35,78.87 R24.2 26.65,82.17 v1(26.65,82.46) ; U3.4 36.8,83.47 v1(36.45,83.12)
  Bottom w0.2: v1(36.45,83.12) 35.44,82.11 27.1,82.11 26.75,82.46 v1(26.65,82.46)
/IDAC2_2: length 104.1
  Top w0.2: R20.2 26.44,22.77 v1(27.65,21.56) ; U1.4 37.49,25.1 v1(37.29,24.9) ; J1.12 105.65,15.83 105.65,10.96 104.05,9.36 93.85,9.36 87.5,15.71 D1.1 86.08,17.18 v1(86.05,17.16)
  Bottom w0.2: v1(27.65,21.56) 31,24.9 v1(37.29,24.9) 50.31,11.88 80.78,11.88 v1(86.05,17.16)
/IDAC2_3: length 123.4
  Top w0.2: D6.3 92.03,61.06 ; 92.03,61.06 86.2,61.06 80.85,66.41 25,66.41 22.95,64.36 22.95,54.33 R61.2 26.33,53.76 v1(26.45,53.76) ; 92.03,61.06 96.43,56.66 102.45,56.66 105.05,54.06 105.05,51.94 J2.12 ; v1(32.25,53.96) 35.55,53.96 36.35,54.76 U2.4
  Bottom w0.2: v1(32.25,53.96) 26.65,53.96 v1(26.45,53.76)
/LS1_SIG+: length 91.6
  Top w0.2: v1(85.55,79.86) 74.75,69.06 25.25,69.06 23.75,70.56 23.75,74.72 R11.1 ; v1(85.55,81.96) 87.13,81.96 D7.6 87.5,83.71 88.35,84.56 91.49,84.56 94.77,81.28 J3.2
  Bottom w0.2: v1(85.55,81.96) v1(85.55,79.86)
/LS1_SIG-: length 97.5
  Top w0.2: R12.1 25.78,73.87 24.15,72.24 24.15,70.76 25.45,69.46 74.55,69.46 84.25,79.16 v1(84.25,79.86) ; v1(84.25,87.56) 89.05,87.56 93.05,83.56 J3.1 ; D8.1 87.18,90.26 v1(86.35,90.26)
  Bottom w0.2: v1(84.25,79.86) 84.25,88.16 v1(86.35,90.26)
/LS2_SIG+: length 46.2
  Top w0.2: R13.1 56.05,77.96 58.75,80.66 86.83,80.66 D7.1 87.5,78.01 88.79,76.72 J3.4
/LS2_SIG-: length 44.3
  Top w0.2: R14.1 55.97,79.66 57.37,81.06 86.83,81.06 86.93,81.16 89.03,81.16 89.4,80.78 D7.3 90.39,79 J3.3
/LS3_SIG+: length 49.9
  Top w0.2: J3.6 95.29,84.7 D8.3 89.4,88.81 88.95,88.36 71.02,88.36 69.62,86.96 55.58,86.96
/LS3_SIG-: length 55.2
  Top w0.2: 56.37,87.97 56.98,87.36 69.45,87.36 70.95,88.86 84.05,88.86 86.95,91.76 88.85,91.76 89.4,92.31 D8.4 92.28,92.93 98.55,86.66 100.96,86.66 102.99,84.62 J3.11 ; 56.37,87.97 56.34,87.99 ; 56.37,87.97 R16.1
/MISO: length 136.3
  Top w0.2: v1(40.55,49.76) 39.9,50.41 U2.12 ; v1(40.75,15.17) 40.71,15.21 40.71,15.61 41.19,16.09 41.19,21.43 41.34,21.58 41.34,22.44 ; U3.12 40.4,79.96 40.25,79.81 40.25,75.69 39.7,75.14 v1(39.7,74.06)
  Bottom w0.2: RP1.21 15.24,55.86 20.35,55.86 38.15,73.66 38.75,73.66 39.15,74.06 v1(39.7,74.06) 39.7,72.67 37.45,70.42 37.45,53.71 39.75,51.41 39.75,50.56 v1(40.55,49.76) 40.55,48.96 22.15,30.56 22.15,24.93 28.73,18.36 39.75,18.36 40.75,17.36 v1(40.75,15.17)
/MOSI: length 135
  Top w0.2: v1(38.44,74.27) 38.44,75.01 39.4,75.97 U3.10 ; 40.34,22.44 40.39,22.39 40.39,16.75 v1(40.09,16.45) ; RP1.19 13.69,55.42 v1(15.05,54.06) ; U2.10 38.9,51.71 38.05,50.86 38.05,49.71 38.6,49.16 v1(38.85,49.16)
  Bottom w0.2: v1(38.44,74.27) 38.17,74.27 20.15,56.26 13.1,56.26 RP1.19 ; v1(40.09,16.45) 30.07,16.45 21.75,24.77 21.75,30.79 38.85,47.89 v1(38.85,49.16) 39.25,49.56 39.25,51.06 37.35,52.96 16.15,52.96 v1(15.05,54.06)
/OFFV: length 117.2
  Top w0.2: D10.1 86.85,108.43 86.85,103.16 v1(86.1,102.41) ; 89.23,110.24 89.86,109.6 97.16,109.6 J4.3
  Bottom w0.2: v1(86.1,102.41) 85.1,101.41 85.1,100.41 83.35,98.66 21.85,98.66 16.6,93.41 16.6,75 RP1.7
/OIMV/FIMV/SPARK: length 144.7
  Top w0.2: D9.6 88.1,106.41 88.1,103.91 90.15,101.86 v1(90.15,101.76) 90.75,101.16 95.35,101.16 97.85,103.66 102.85,103.66 106.45,107.26 106.45,113.16 104.69,114.92 J4.11
  Bottom w0.2: RP1.13 17.4,68.18 17.4,93.07 22.18,97.85 84.95,97.85 88.25,101.16 89.55,101.16 v1(90.15,101.76)
/OMV: length 118.1
  Top w0.2: v1(87.85,112.41) 88.53,113.08 D10.6
  Bottom w0.2: J4.2 88.09,112.64 v1(87.85,112.41) 87.85,105.88 84.55,102.58 84.55,100.66 83.05,99.16 21.79,99.16 16.2,93.57 16.2,77.14 RP1.5
/OTVV: length 128.2
  Top w0.2: 95.05,107.51 D9.4 ; 95.05,107.51 95.2,107.51 96.83,109.13 98.18,109.13 99.4,110.36 J4.13 ; 95.05,107.51 v1(92.85,107.51)
  Bottom w0.2: RP1.11 13.88,65.58 17,68.71 17,93.24 22.02,98.25 84.55,98.25 92.85,106.56 v1(92.85,107.51)
/PFFFV: length 132.2
  Top w0.2: D9.3 92.3,103.96 v1(95.85,103.96) 96.74,104.84 96.74,106.57 97.91,107.75 J4.4
  Bottom w0.2: v1(95.85,103.96) 95.85,102.92 89.49,96.56 22.65,96.56 18.75,92.66 18.75,64.96 13.05,59.26 11.02,59.26 RP1.18
/POFFV: length 130.3
  Top w0.2: v1(92.81,110.35) 91.43,110.35 D10.3
  Bottom w0.2: RP1.15 18.25,66.49 18.25,92.79 22.52,97.05 89.42,97.05 93.6,101.24 93.6,103.91 95.5,105.8 J4.5 95.1,108.61 94.55,108.61 v1(92.81,110.35)
/PT1_SIG: length 105.4
  Top w0.2: J1.6 100.45,23.76 93.85,30.36 88.65,30.36 87.5,31.51 D3.1 86.73,33.86 79.79,33.86 75.29,38.36 28.65,38.36 22.25,31.96 22.25,21.56 25.11,18.7 R5.1
/PT2_SIG: length 110.2
  Top w0.2: J1.11 102.99,21.83 91.74,33.08 D3.3 89.4,33.76 88.91,34.26 79.95,34.26 75.45,38.76 28.49,38.76 21.85,32.12 21.85,21.36 26.44,16.77 R6.1 ; 26.39,16.3 26.32,16.23
/PT3_SIG: length 47.7
  Top w0.2: R7.1 57.44,21.76 88.65,21.76 89.4,21.01 D1.4 95.01,13.93 J1.4
/PT4_SIG: length 48.6
  Top w0.2: R8.1 55.34,21.16 56.25,21.16 57.25,22.16 84.88,22.16 D2.1 87.5,23.31 88.55,22.26 91.86,22.26 J1.3
/PT5_SIG: length 47.4
  Top w0.2: R9.1 56.85,28.96 57.45,28.36 84.85,28.36 87.25,25.96 88.91,25.96 89.4,25.46 D2.3 89.93,24.78 96.22,18.49 J1.2
/PT6_SIG: length 50
  Top w0.2: J1.1 97.91,22.3 91.15,29.06 88.05,29.06 87.5,28.51 D2.6 85.88,28.76 57.65,28.76 55.85,30.56 R10.1
/PT7_SIG: length 62
  Top w0.2: J2.13 104.75,45.84 104.75,41.46 103.55,40.26 89.95,40.26 87.33,42.88 D4.1 86.6,44.96 59.55,44.96 55.75,48.76 R45.1
/PT8_SIG: length 47.2
  Top w0.2: R46.1 59.8,45.36 88.68,45.36 89.23,45.9 D4.4 91.53,46.58 92.79,45.32 J2.4
/PT9_SIG: length 50.3
  Top w0.2: R47.1 51.23,54.21 D5.1 87.3,52.91 92.55,47.66 97.85,47.66 J2.3
/PT10_SIG: length 49.5
  Top w0.2: R48.1 55.08,59.86 81.85,59.86 86.35,55.36 88.73,55.36 89.2,54.89 D5.3 90.55,52.86 94.93,52.86 J2.2
/PT11_SIG: length 49.1
  Top w0.2: R44.1 54.48,60.26 87.25,60.26 89.2,58.31 D5.4 93.51,56.56 J2.1
/PT12_SIG: length 55.8
  Top w0.2: D5.6 87.3,57.61 v1(86.75,58.16) ; R55.1 57.08,60.66 87.7,60.66 v1(88.58,59.78) 88.65,59.86 90.95,59.86 97.51,53.3 J2.6
  Bottom w0.2: v1(86.75,58.16) 88.38,59.78 v1(88.58,59.78)
/RTD1_L1: length 113.1
  Top w0.2: v1(84.95,65.16) 84.95,65.66 82.35,68.26 24.75,68.26 22.85,70.16 22.85,78.96 24.55,80.66 24.55,81.86 25.8,83.11 R23.2 ; v1(86.25,66.06) 86.28,66.03 D6.6 87.5,67.21 88.65,68.36 95.75,68.36 98.45,71.06 102.35,71.06 104.55,73.26 104.55,75.16 J3.14 ; 25.78,89.75 25.78,86.02 25.78,86.02 25.78,83.74 25.75,83.72
  Bottom w0.2: v1(86.25,66.06) 85.85,66.06 v1(84.95,65.16)
/RTD1_L3: length 30.7
  Top w0.2: R4.1 87.03,92.46 D8.6 87.5,94.41 88.35,95.26 90.55,95.26 98.55,87.26 101.05,87.26 104.05,84.26 104.05,82.33 J3.12
/RTD2_L1: length 102.4
  Top w0.2: 26.39,25.2 26.39,31.55 ; v1(85.55,19.56) 85.58,19.53 D1.6 87.5,18.85 88,18.36 89.95,18.36 95.85,12.46 95.85,11.96 97.65,10.16 103.65,10.16 104.45,10.96 104.45,12.47 J1.14 ; v1(25.1,24.41) 25.9,25.2 R19.2
  Bottom w0.2: v1(25.1,24.41) 30.6,29.91 69.9,29.91 80.25,19.56 v1(85.55,19.56)
/RTD2_L3: length 35.1
  Top w0.2: J1.13 105.05,14.15 105.05,10.96 103.85,9.76 94.05,9.76 90.25,13.56 v1(90.25,14.46) 90.25,16.33 D1.3 ; v1(86.05,15.66) R3.1
  Bottom w0.2: v1(86.05,15.66) 87.25,14.46 v1(90.25,14.46)
/RTD3_L1: length 109.1
  Top w0.2: v1(87.35,48.56) 87.35,46.61 D4.6 ; 23.93,57.76 R56.2 R59.2 26.18,66.01 80.25,66.01 v1(84.85,61.41)
  Bottom w0.2: 98.65,57.26 96.05,57.26 v1(87.35,48.56) ; 98.65,57.26 102.99,52.92 J2.11 ; 98.65,57.26 94.5,61.41 v1(84.85,61.41)
